# Altium PCB Motherboard.PcbDoc
Units mil, origin at the board's own origin, x right, y up, seen from the top; angles counter-clockwise.
Board outline 5470 x 4386.98 mil, 2 copper layers (Top Layer, Bottom Layer), stack 39.4 mil thick; 97 components, 63 nets, 429 pads, 96 vias.
Unrouted connection lines stored in the file: 2.
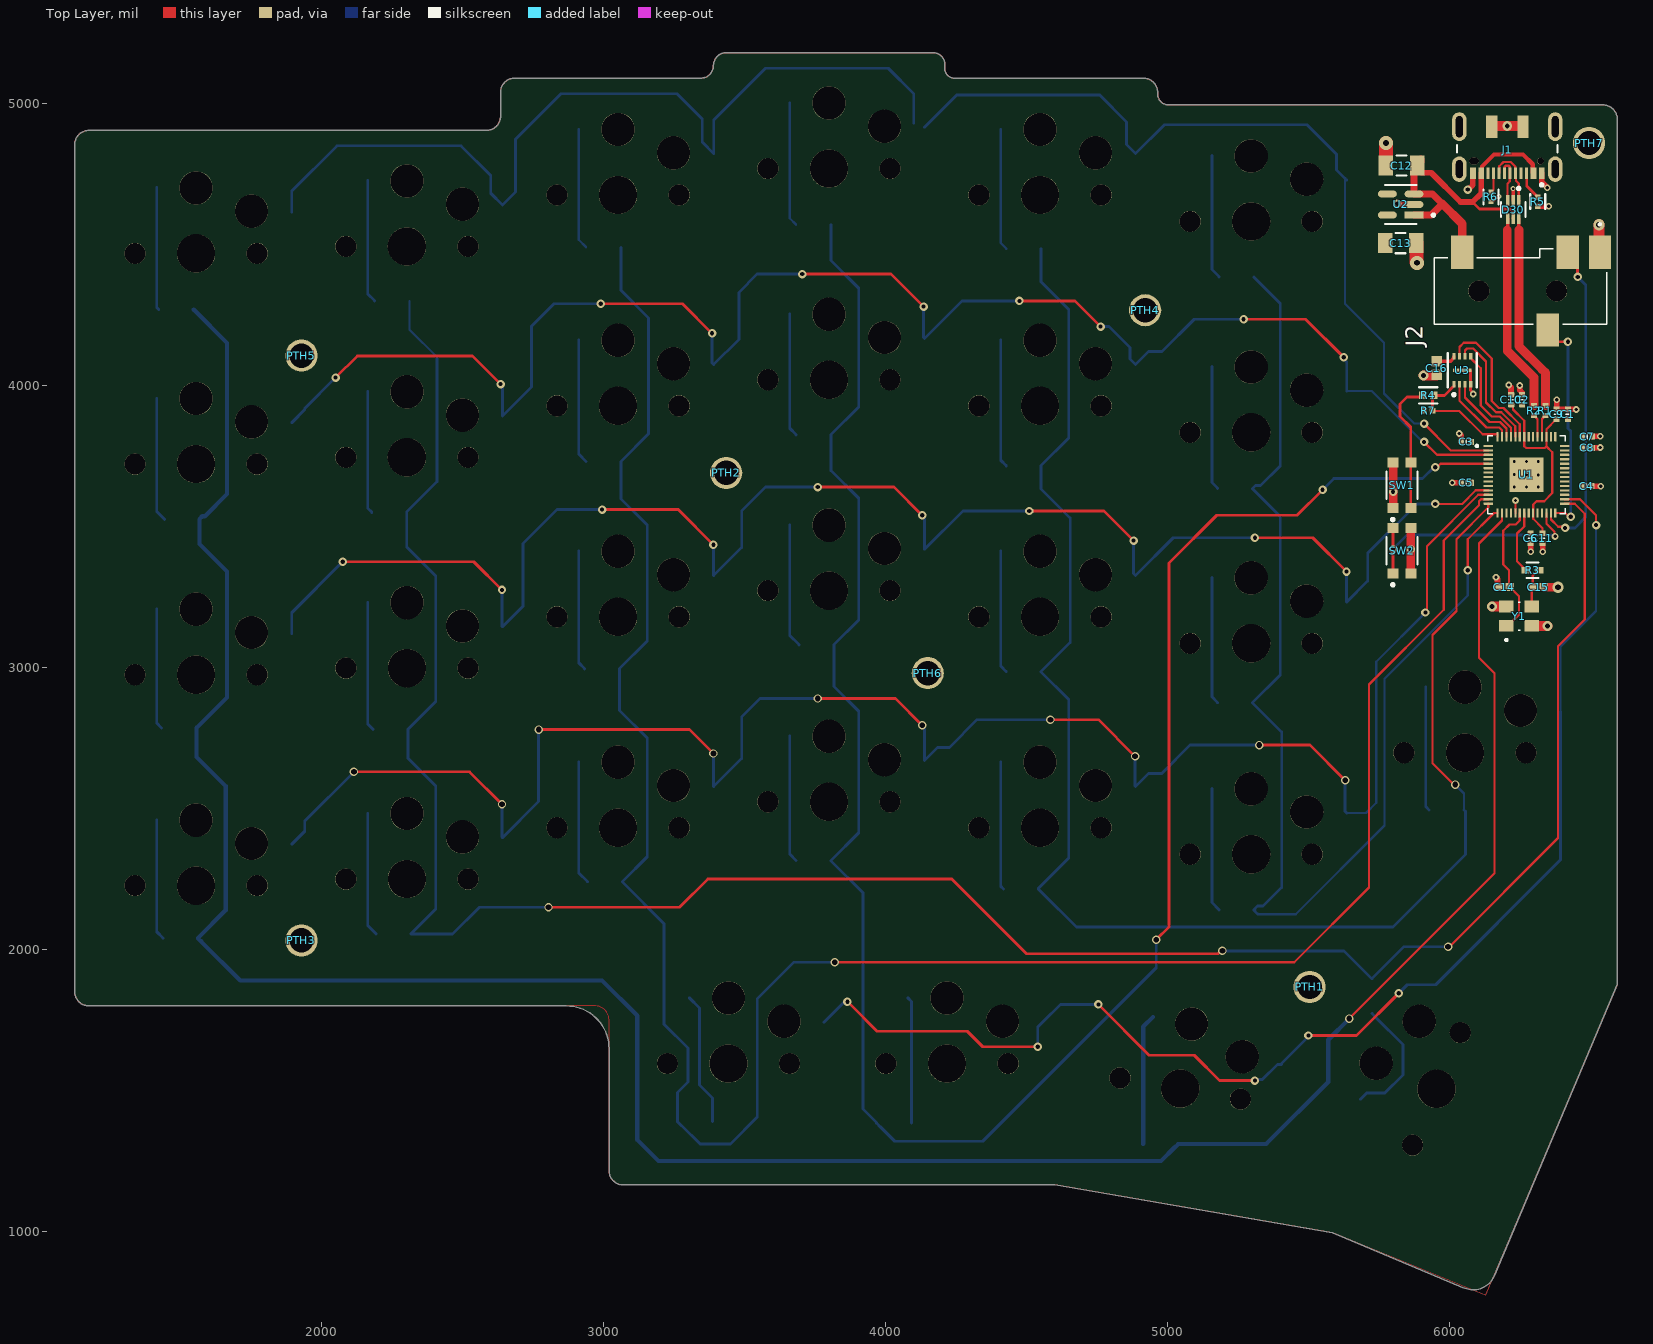
[diagram p0: Top Layer view]
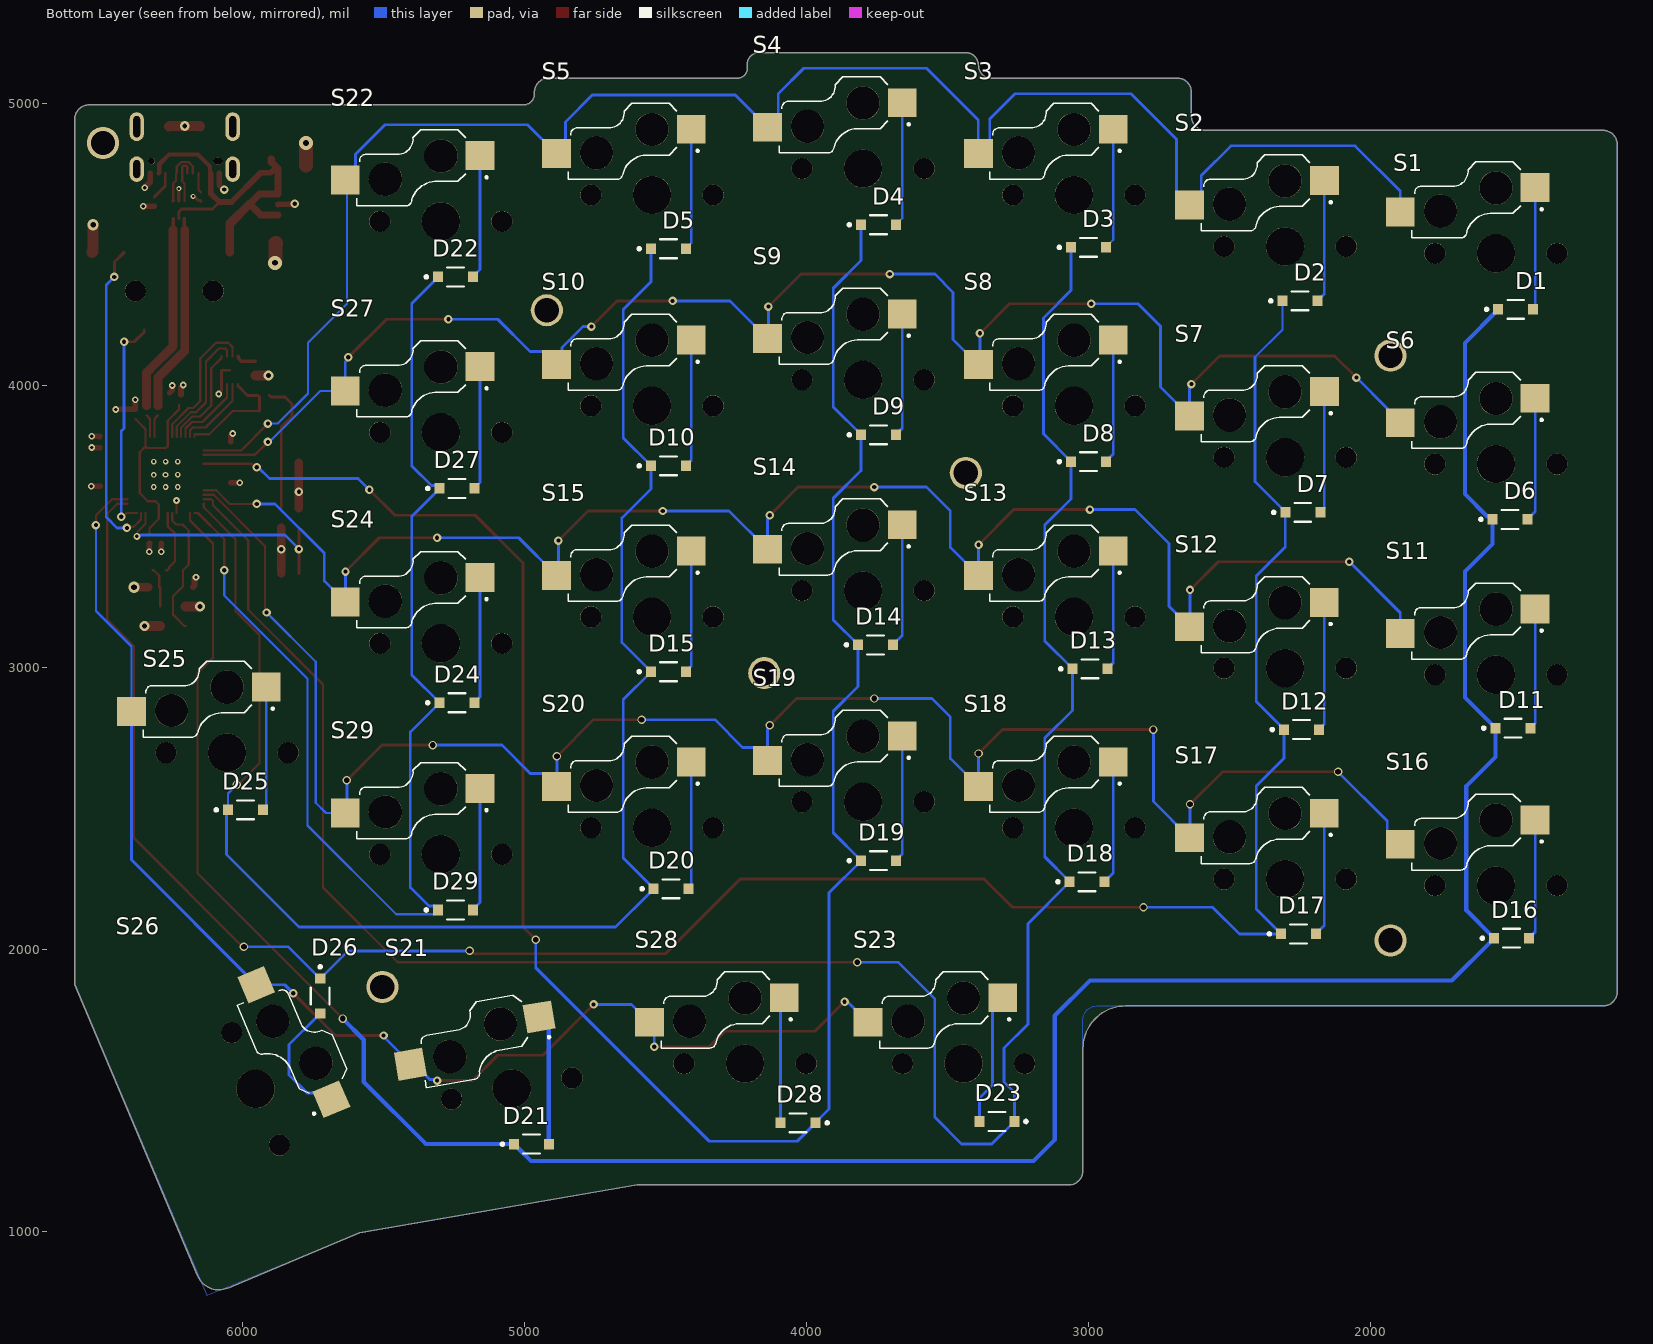
[diagram p1: Bottom Layer view, seen from below]
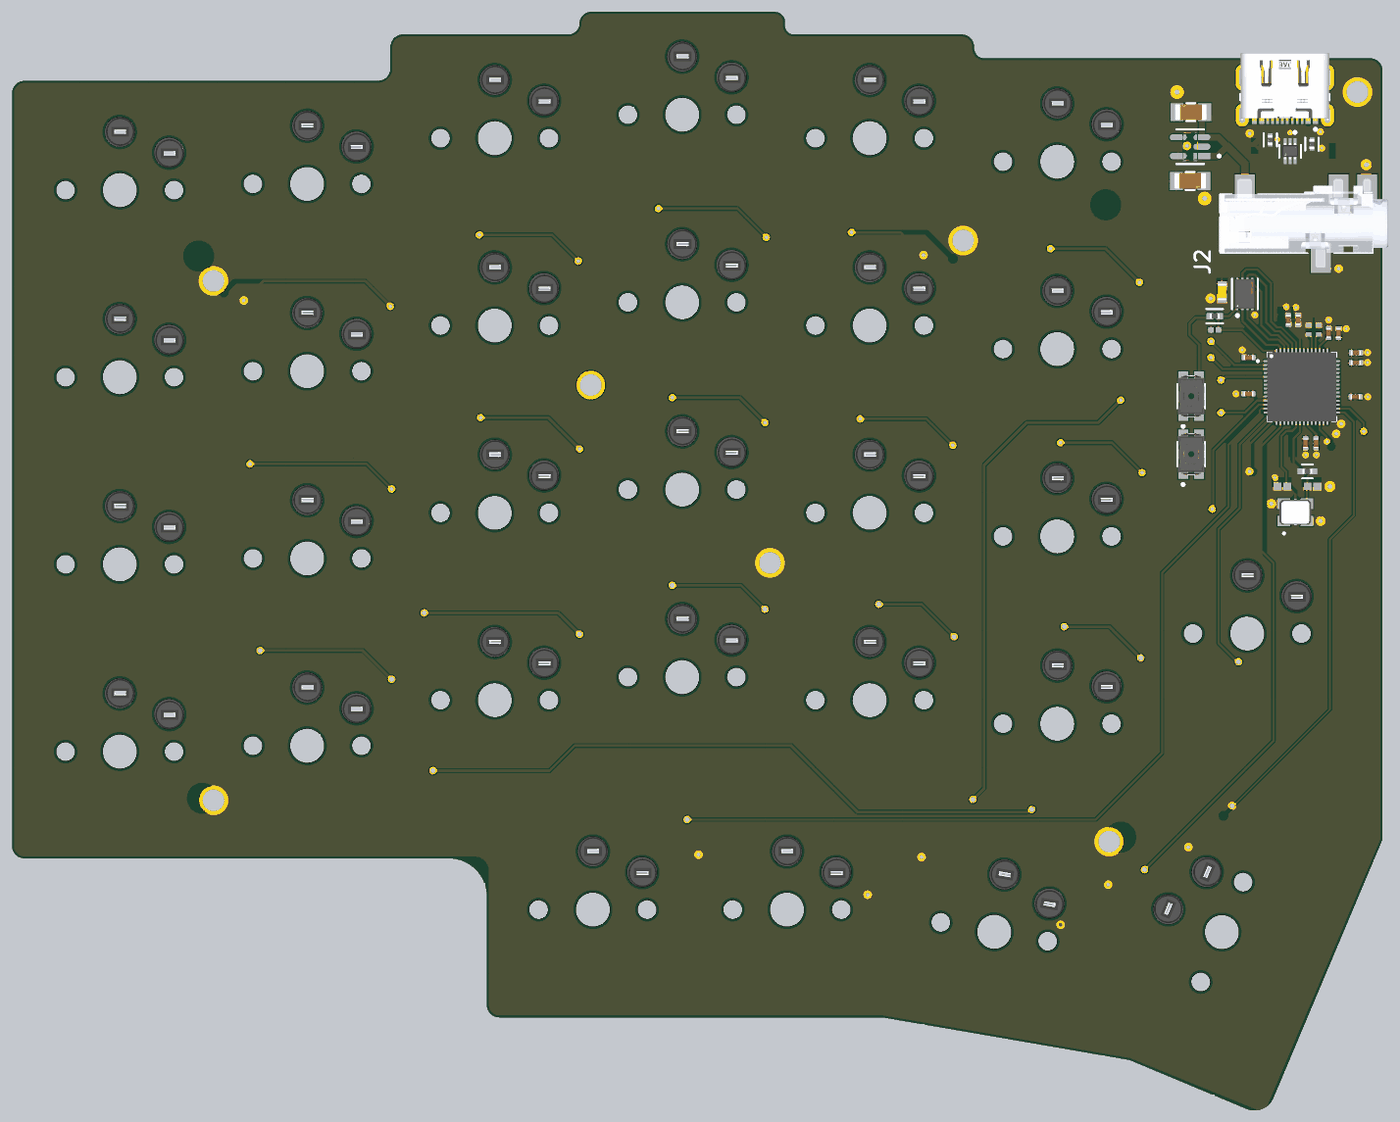
[diagram p2: 3D render of the assembled board from above, using the file's embedded part models]
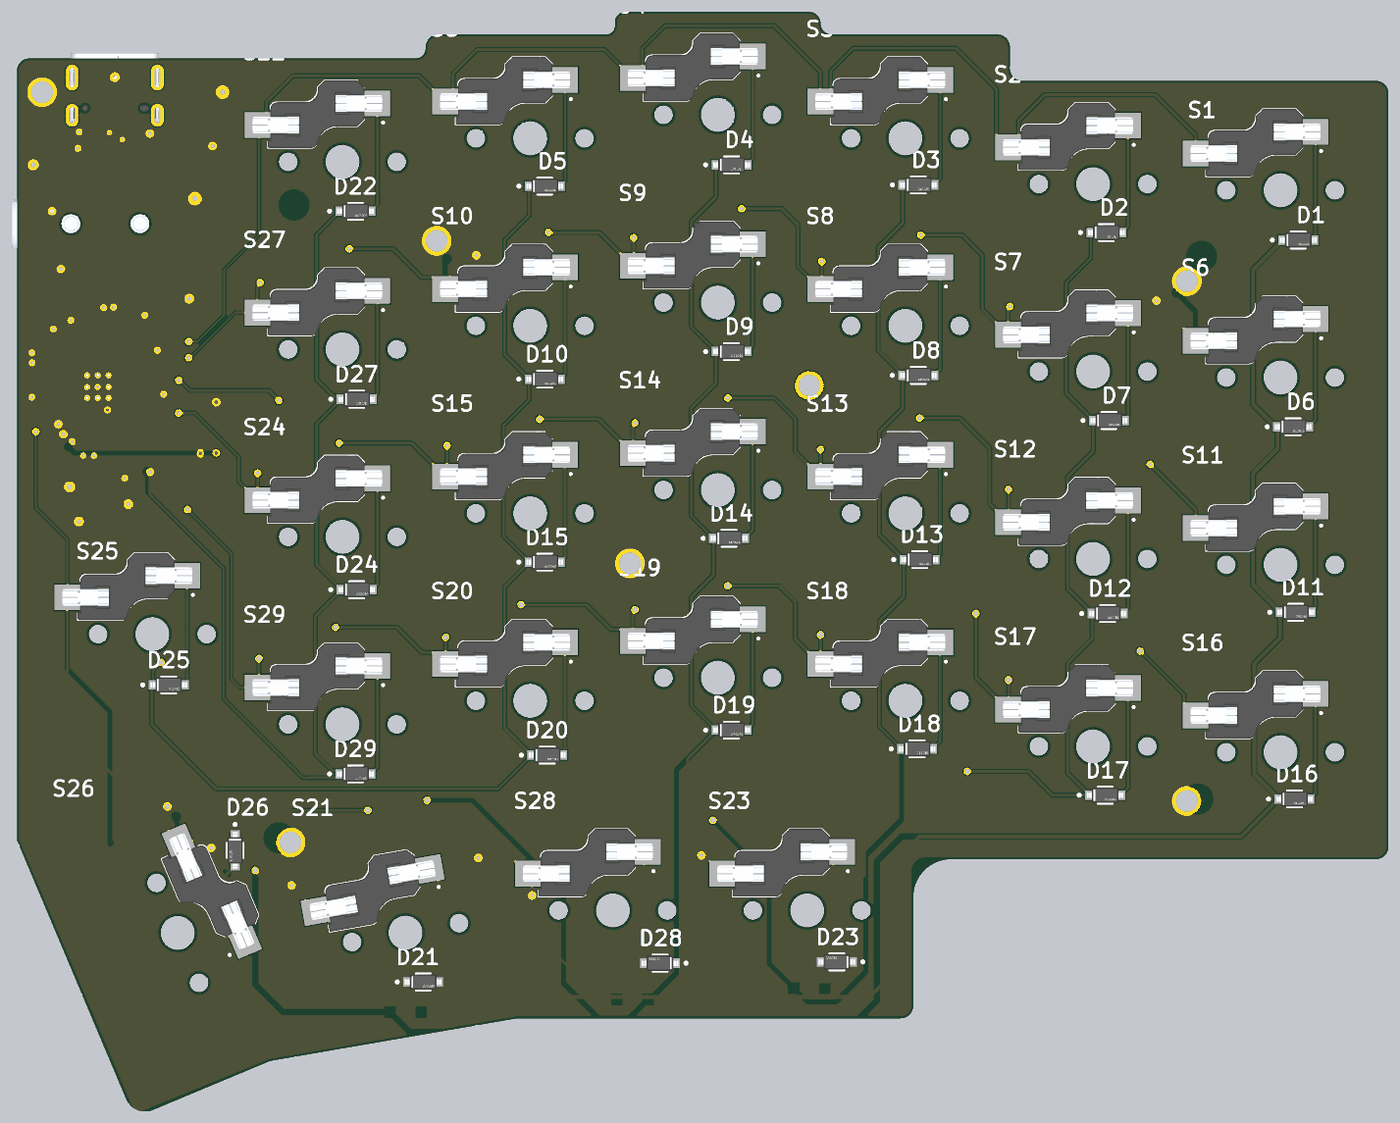
[diagram p3: 3D render of the assembled board from below, using the file's embedded part models]

## Layer stack, top to bottom
Top Solder: solder mask 0.4, Solder Resist, Dk 3.5
Top Layer: signal copper 1.4
Dielectric 1: dielectric 36.6, FR-4, Dk 4.4
Bottom Layer: signal copper 1.4
Bottom Solder: solder mask 0.4, Solder Resist, Dk 3.5

## Board outline
1175,1800 cw(c1175,1850) 1125,1850 1125,4855 cw(c1175,4855) 1175,4905 2585,4905 ccw(c2585,4955) 2635,4955 2635,5040 cw(c2685,5040) 2685,5090 3345,5090 ccw(c3345,5135) 3390,5135 cw(c3435,5135) 3435,5180 4170,5180 cw(c4170,5140) 4210,5140 4210,5125 ccw(c4245,5125) 4245,5090 4915,5090 cw(c4915,5040) 4965,5040 4965,5035 ccw(c5005,5035) 5005,4995 6545,4995 cw(c6545,4945) 6595,4945 6595,1876.24 6160.46,845.21 cw(c6084,875.08) 6048.51,801.07 5585,995 4600,1165 3070,1165 cw(c3070,1215) 3020,1215 3020,1647.95 ccw(c2867.95,1647.95) 2867.95,1800

## Design rules (kind name [scope] priority, off if disabled: settings)
BoardOutlineClearance [All] p1: gap=7.87 ignorepadtopadclearanceinfootprint=FALSE
Clearance [All] p1: gap=5 ignorepadtopadclearanceinfootprint=TRUE except(10: Arc-Hole Track-Hole SMDPad-Hole THPad-Hole Via-Hole Fill-Hole Poly-Hole Region-Hole Text-Hole)
ComponentClearance [All] p1: gap=5 collisioncheckmode=3 verticalgap=5 showdistances=TRUE
DiffPairsRouting [All] p1: maxlimit=100 minlimit=5 mostfreqgap=9.37 toplayer_minwidth=5 toplayer_maxwidth=100 toplayer_prefwidth=31.57 bottomlayer_minwidth=5 bottomlayer_maxwidth=100 bottomlayer_prefwidth=31.57 impedanceprofiledriven=TRUE impedanceprofileid={D4E62B93-00E1-4489-9EE8-131CB804B821} impedanceprofilevalue=90.000000 maxuncoupledlength=500
Height [All] p1: minheight=0 maxheight=71497.94 prefheight=500
HoleSize [All] p1: absolutevalues=TRUE maxlimit=248.03 minlimit=11.81 maxpercent=80.000 minpercent=20.000
HoleToHoleClearance [All] p1: gap=10 allowstackedmicrovias=FALSE
MinimumAnnularRing [All] p1: minimumring=6
MinimumSolderMaskSliver [All] p1: minsoldermaskwidth=6
PlaneClearance [All] p1: clearance=5
PlaneConnect PlaneConnectPowerPads [InPadClass('PowerPads')] p1: planeconnectstyle=Direct reliefexpansion=20 reliefentries=4 reliefconductorwidth=10 reliefairgap=10
PlaneConnect [All] p2: pad.planeconnectstyle=Relief pad.reliefexpansion=11.81 pad.reliefentries=4 pad.reliefconductorwidth=5 pad.reliefairgap=5 via.planeconnectstyle=Direct via.reliefexpansion=11.81 via.reliefentries=4 via.reliefconductorwidth=5 via.reliefairgap=5
PolygonConnect PolygonConnectPowerPads [All vs (InPadClass('PowerPads'))] p1: connectstyle=Direct reliefconductorwidth=10 reliefentries=4 polygonreliefangle="90 Angle" airgapwidth=10
PolygonConnect [All] p2: thpad.connectstyle=Relief thpad.reliefconductorwidth=5 thpad.reliefentries=4 thpad.polygonreliefangle="90 Angle" thpad.airgapwidth=5 smdpad.connectstyle=Relief smdpad.reliefconductorwidth=5 smdpad.reliefentries=4 smdpad.polygonreliefangle="90 Angle" smdpad.airgapwidth=5 via.connectstyle=Direct via.reliefconductorwidth=5 via.reliefentries=4 via.polygonreliefangle="90 Angle" via.airgapwidth=5
RoutingVias [All] p1: holewidth=11.81 width=23.62 viastyle="Through Hole" minholewidth=11.81 minwidth=23.62 maxholewidth=23.62 maxwidth=259.84
SilkToSilkClearance [All] p1: silktosilkclearance=5
SilkToSolderMaskClearance [IsPad] p1: minsilkscreentomaskgap=5 clearancetoexposedcopper=TRUE
SolderMaskExpansion [All] p1: expansion=2 istentingtop=FALSE
SupplyNets "Schematic Supply Nets_3" [InNet('+5V')] p1: voltage=0.000
SupplyNets "Schematic Supply Nets_2" [InNet('GND')] p2: voltage=0.000
SupplyNets "Schematic Supply Nets_1" [InNet('+3.3V')] p3: voltage=0.000
SupplyNets "Schematic Supply Nets" [InNet('+1.1V')] p4: voltage=0.000
UnRoutedNet [All] p1: checkbadconnections=TRUE
Width Width_10mil [All] p1: maxlimit=1000 minlimit=8 preferedwidth=10 minimp=50.000000 maximp=50.000000 favimp=50.000000
Width Width_6mil [All] p2: maxlimit=1000 minlimit=6 preferedwidth=6 minimp=50.000000 maximp=50.000000 favimp=50.000000
Width Power_20mil [All] p3: maxlimit=1000 minlimit=20 preferedwidth=20 minimp=50.000000 maximp=50.000000 favimp=50.000000
Width Power_12mil [All] p4: maxlimit=1000 minlimit=12 preferedwidth=12 minimp=50.000000 maximp=50.000000 favimp=50.000000
Width Width_5mil [All] p5: maxlimit=1000 minlimit=5 preferedwidth=5 minimp=50.000000 maximp=50.000000 favimp=50.000000
Width [All] p6: maxlimit=100 minlimit=5 preferedwidth=10 minimp=50.000000 maximp=50.000000 favimp=50.000000
19 further rules are at their usual default settings.

## Classes and differential pairs
differential pair class USB: USB_D
component class Switches: D1 D2 D3 D4 D5 D6 D7 D8 D9 D10 D11 D12 D13 D14 D15 D16 D17 D18 D19 D20 D21 D22 D23 D24 D25 D26 D27 D28 D29 PTH1 PTH2 PTH3 PTH4 PTH5 PTH6 PTH7 S1 S2 S3 S4 S5 S6 S7 S8 S9 S10 S11 S12 S13 S14 S15 S16 S17 S18 S19 S20 S21 S22 S23 S24 S25 S26 S27 S28 S29
component class RP2040: C1 C2 C3 C4 C5 C6 C7 C8 C9 C10 C11 C12 C13 C14 C15 C16 D30 J1 J2 R1 R2 R3 R4 R5 R6 R7 SW1 SW2 U1 U2 U3 Y1
differential pair USB_D: +USB_D_P -USB_D_N

## Components (designator, comment, footprint, x,y, rotation, side; value= is the part's Value field where it differs from the comment)
C1 "Capacitor 1µF +/-20% 10V 0402" CAPC0402(1005)60_L 6420,3897.72 r90 top value=1µF
C2 "Capacitor 100nF +/-20% 25V 0402" CAPC0402(1005)60_L 6258,3950 r90 top value=100nF
C3 "Capacitor 100nF +/-20% 25V 0402" CAPC0402(1005)60_L 6060,3800 r180 top value=100nF
C4 "Capacitor 100nF +/-20% 25V 0402" CAPC0402(1005)60_L 6487,3643 r0 top value=100nF
C5 "Capacitor 100nF +/-20% 25V 0402" CAPC0402(1005)60_L 6060,3655 r180 top value=100nF
C6 "Capacitor 100nF +/-20% 25V 0402" CAPC0402(1005)60_L 6288,3458 r270 top value=100nF
C7 "Capacitor 100nF +/-20% 25V 0402" CAPC0402(1005)60_L 6489,3819 r0 top value=100nF
C8 "Capacitor 100nF +/-20% 25V 0402" CAPC0402(1005)60_L 6488.72,3779 r0 top value=100nF
C9 "Capacitor 1µF +/-20% 10V 0402" CAPC0402(1005)60_L 6380,3898 r270 top value=1µF
C10 "Capacitor 100nF +/-20% 25V 0402" CAPC0402(1005)60_L 6219,3950 r270 top value=100nF
C11 "Capacitor 100nF +/-20% 25V 0402" CAPC0402(1005)60_L 6330,3458 r90 top value=100nF
C12 "1uF" FP-1206-L_3_2_0_2-W_1_6_0-IPC_B 5830,4780 r180 top
C13 "1uF" FP-1206-L_3_2_0_2-W_1_6_0-IPC_B 5827,4505 r0 top
C14 "15pF" CAPC1005X60X26ML10T16 6195,3285 r0 top
C15 "15pF" CAPC1005X60X26ML10T16 6315,3285 r180 top
C16 "Capacitor 100 nF +/-10% 50 V 0603" CAPC1608X90X40NL10T20 5955,4062 r270 top value=100nF
D1 "1N4148W-13-F" FP-SOD123-MFG 1485,4270 r180 bottom value=2pF
D2 "1N4148W-13-F" FP-SOD123-MFG 2250,4300 r180 bottom value=2pF
D3 "1N4148W-13-F" FP-SOD123-MFG 3000,4490 r180 bottom value=2pF
D4 "1N4148W-13-F" FP-SOD123-MFG 3745,4570 r180 bottom value=2pF
D5 "1N4148W-13-F" FP-SOD123-MFG 4490,4485 r180 bottom value=2pF
D6 "1N4148W-13-F" FP-SOD123-MFG 1505,3525 r180 bottom value=2pF
D7 "1N4148W-13-F" FP-SOD123-MFG 2240,3550 r180 bottom value=2pF
D8 "1N4148W-13-F" FP-SOD123-MFG 3000,3730 r180 bottom value=2pF
D9 "1N4148W-13-F" FP-SOD123-MFG 3745,3825 r180 bottom value=2pF
D10 "1N4148W-13-F" FP-SOD123-MFG 4490,3715 r180 bottom value=2pF
D11 "1N4148W-13-F" FP-SOD123-MFG 1495,2785 r180 bottom value=2pF
D12 "1N4148W-13-F" FP-SOD123-MFG 2245,2780 r180 bottom value=2pF
D13 "1N4148W-13-F" FP-SOD123-MFG 2995,2995 r180 bottom value=2pF
D14 "1N4148W-13-F" FP-SOD123-MFG 3755,3080 r180 bottom value=2pF
D15 "1N4148W-13-F" FP-SOD123-MFG 4490,2985 r180 bottom value=2pF
D16 "1N4148W-13-F" FP-SOD123-MFG 1500,2040 r180 bottom value=2pF
D17 "1N4148W-13-F" FP-SOD123-MFG 2255,2055 r180 bottom value=2pF
D18 "1N4148W-13-F" FP-SOD123-MFG 3005,2240 r180 bottom value=2pF
D19 "1N4148W-13-F" FP-SOD123-MFG 3745,2315 r180 bottom value=2pF
D20 "1N4148W-13-F" FP-SOD123-MFG 4480,2215 r180 bottom value=2pF
D21 "1N4148W-13-F" FP-SOD123-MFG 4975,1310 r180 bottom value=2pF
D22 "1N4148W-13-F" FP-SOD123-MFG 5245,4385 r180 bottom value=2pF
D23 "1N4148W-13-F" FP-SOD123-MFG 3325,1390 r0 bottom value=2pF
D24 "1N4148W-13-F" FP-SOD123-MFG 5240,2875 r180 bottom value=2pF
D25 "1N4148W-13-F" FP-SOD123-MFG 5990,2495 r180 bottom value=2pF
D26 "1N4148W-13-F" FP-SOD123-MFG 5725,1835 r270 bottom value=2pF
D27 "1N4148W-13-F" FP-SOD123-MFG 5240,3635 r180 bottom value=2pF
D28 "1N4148W-13-F" FP-SOD123-MFG 4030,1385 r0 bottom value=2pF
D29 "1N4148W-13-F" FP-SOD123-MFG 5245,2140 r180 bottom value=2pF
D30 "USBLC6-2P6" FP-SOT-666-MFG 6226,4624 r270 top
J1 "DX07S016JA1R1500" FP-DX07S016JA1R1500-MFG 6205.12,4878.63 r180 top
J2 "SJ-43514-SMT-TR" CUI_SJ-43514-SMT-TR 6533.54,4472.8 r180 top
PTH1 "M2_Mount" Mounting_Holes#1 5565,1870 r90 top
PTH2 "M2_Mount" Mounting_Holes#2 3435,3690 r90 top
PTH3 "M2_Mount" Mounting_Holes#3 1885,2040 r90 top
PTH4 "M2_Mount" Mounting_Holes#4 5490,4410 r90 top
PTH5 "M2_Mount" Mounting_Holes#5 1870,4205 r90 top
PTH6 "M2_Mount" Mounting_Holes#2 4150,2980 r90 top
PTH7 "M2_Mount" Mounting_Holes#2 6495,4860 r90 top
R1 "27R4 1% 0402(1005)" RESC0402(1005)_L 6340,3911 r90 top value="27.40 Ohm"
R2 "27R4 1% 0402(1005)" RESC0402(1005)_L 6300,3911 r90 top value="27.40 Ohm"
R3 "1k" FP-TFCR0402-MFG 6295,3345 r180 top
R4 "1k" FP-TFCR0402-IPC_A 5925,3965 r0 top
R5 "5.1k" FP-RN73R1E-IPC_C 6313,4652 r270 top
R6 "5.1k" FP-RN73R1E-IPC_C 6147,4669 r270 top
R7 "10k DNF" RESC1005X40X25LL10T10 5925,3910 r180 top
S1 "5118" SW_5118 1555.12,4468.5 r0 bottom
S2 "5118" SW_5118 2302.83,4493.19 r0 bottom
S3 "5118" SW_5118 3051.55,4675.69 r0 bottom
S4 "5118" SW_5118 3799.65,4769.44 r0 bottom
S5 "5118" SW_5118 4547.98,4675.69 r0 bottom
S6 "5118" SW_5118 1555.12,3721.5 r0 bottom
S7 "5118" SW_5118 2302.83,3745.39 r0 bottom
S8 "5118" SW_5118 3051.55,3927.72 r0 bottom
S9 "5118" SW_5118 3799.65,4020.39 r0 bottom
S10 "5118" SW_5118 4547.98,3927.72 r0 bottom
S11 "5118" SW_5118 1555.12,2974.31 r0 bottom
S12 "5118" SW_5118 2303,2997.72 r0 bottom
S13 "5118" SW_5118 3051.55,3179.72 r0 bottom
S14 "5118" SW_5118 3799.65,3272.72 r0 bottom
S15 "5118" SW_5118 4547.98,3179.72 r0 bottom
S16 "5118" SW_5118 1555.12,2226.39 r0 bottom
S17 "5118" SW_5118 2303,2249.72 r0 bottom
S18 "5118" SW_5118 3051.55,2431.72 r0 bottom
S19 "5118" SW_5118 3799.65,2523.72 r0 bottom
S20 "5118" SW_5118 4547.98,2431.69 r0 bottom
S21 "5118" SW_5118 5045.16,1506.85 r350 bottom
S22 "5118" SW_5118 5296.7,4581.94 r0 bottom
S23 "5118" SW_5118 3443.15,1595.39 r0 bottom
S24 "5118" SW_5118 5296.7,3085.72 r0 bottom
S25 "5118" SW_5118 6055,2697.72 r0 bottom
S26 "5118" SW_5118 5953.81,1505.65 r67 bottom
S27 "5118" SW_5118 5296.7,3833.72 r0 bottom
S28 "5118" SW_5118 4218.15,1595.39 r0 bottom
S29 "5118" SW_5118 5296.7,2337.72 r0 bottom
SW1 "KMR631NG ULC LFS" FP-KMR631NG_ULC_LFS-MFG 5831.5,3645.71 r90 top
SW2 "KMR631NG ULC LFS" FP-KMR631NG_ULC_LFS-MFG 5831.5,3414.29 r90 top
U1 "RP2040" QFN40P700X700X90-57N 6273.14,3683.3 r0 top
U2 "AP2112K-3.3TRG1" FP-SOT25-IPC_A 5827,4642 r180 top
U3 "W25Q16JVUXIQ" FP-UX-MFG 6045.47,4054.21 r90 top
Y1 "ABM8-272-T3" XTAL_ABM8-272-T3 6247,3182 r90 top
